# Altium PCB PIC18F_SUBSYSTEM_V1I1_PCB.PcbDoc (continued)
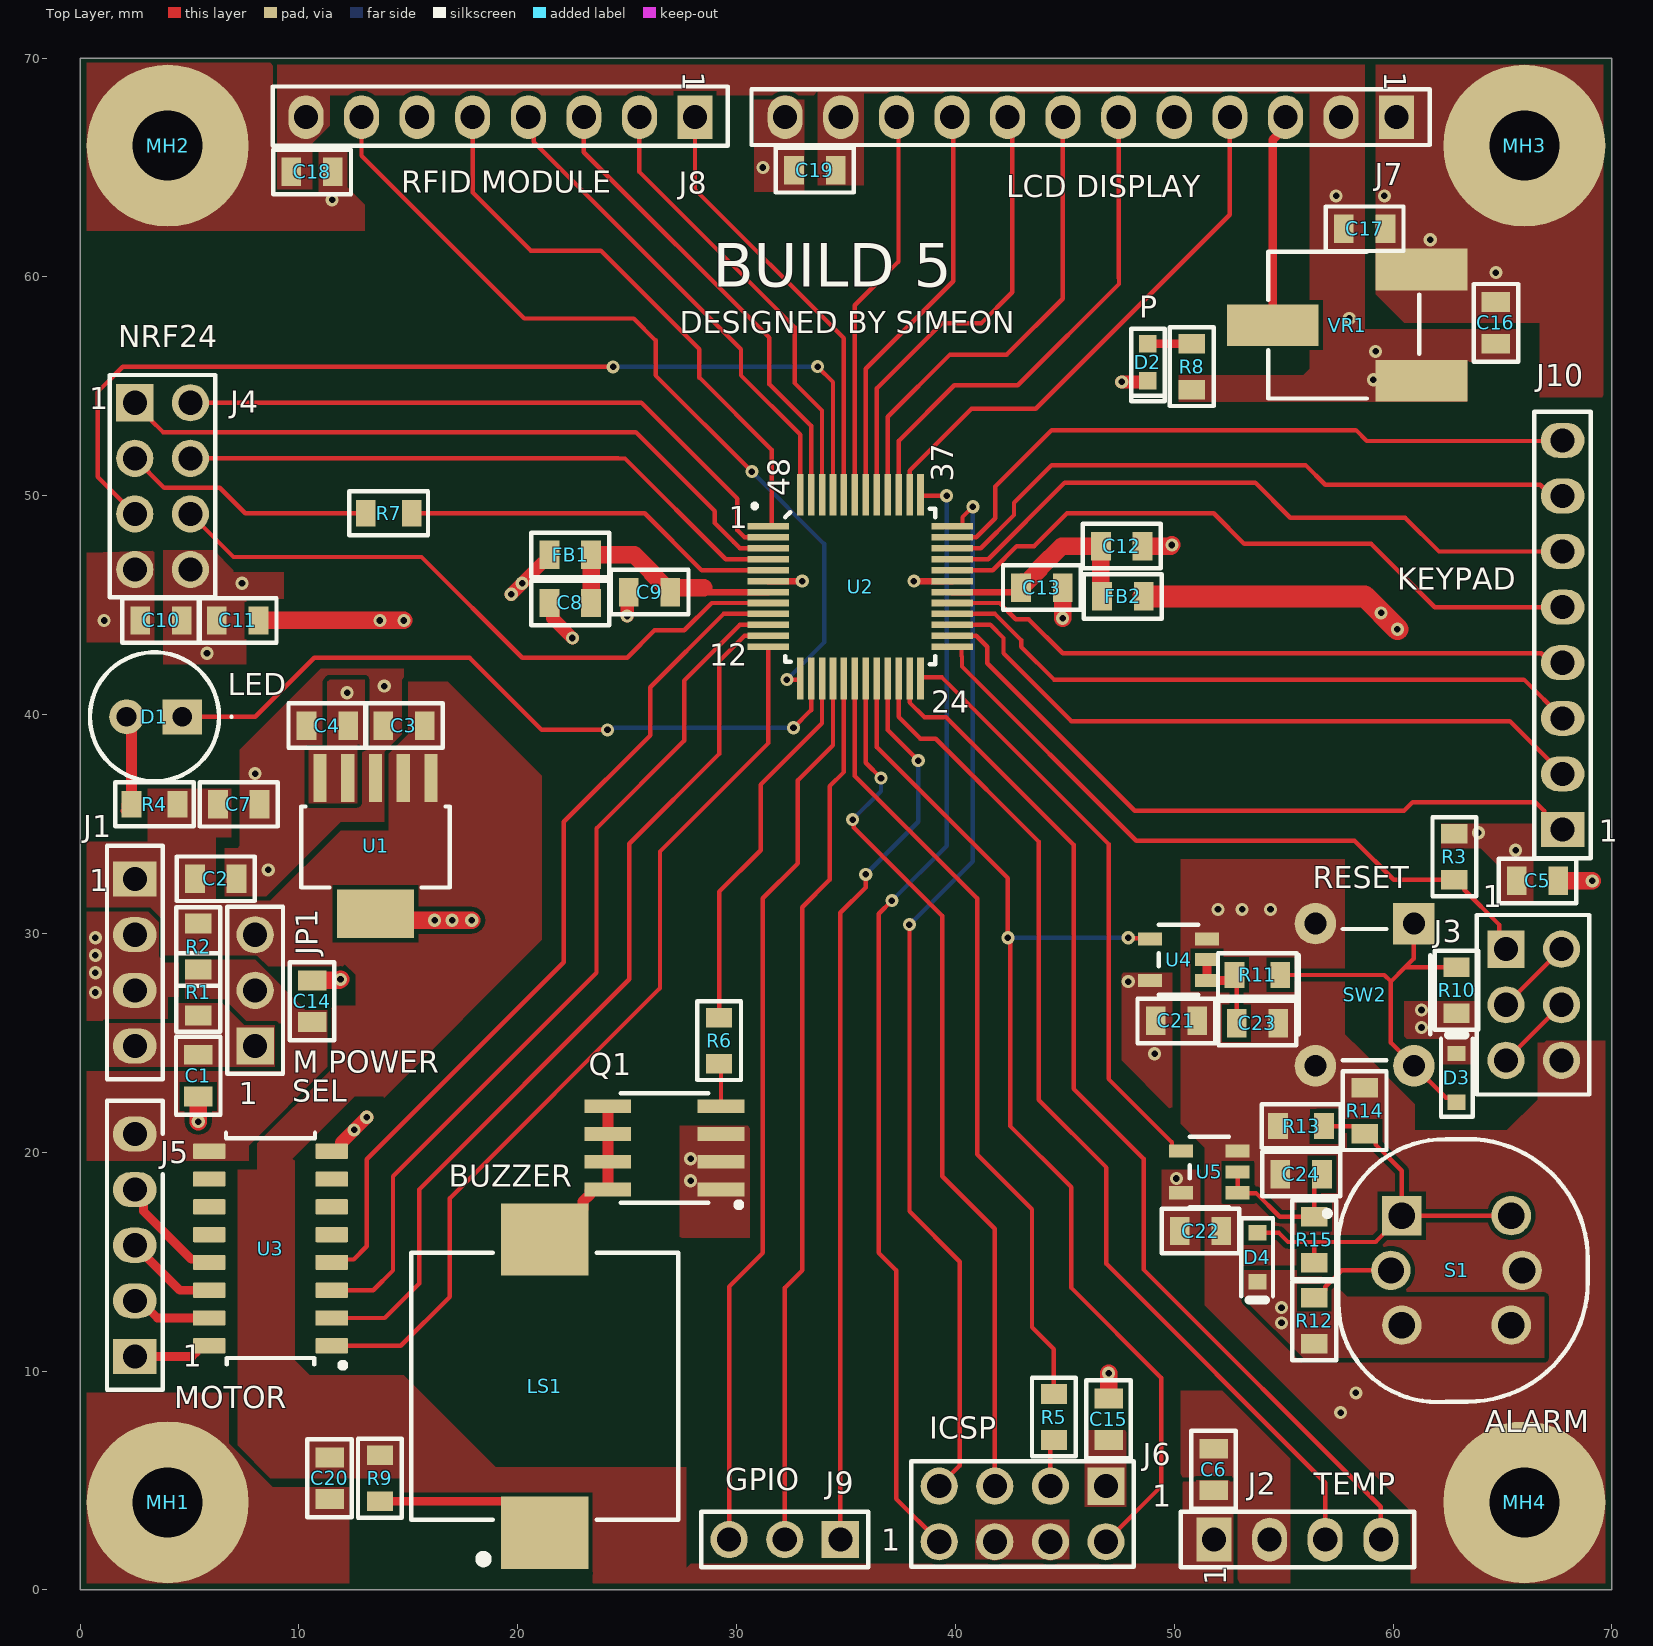
[diagram p0: Top Layer view]
## Part data (continued)
J9: library part 68705-103HLF, "Conn Unshrouded Header HDR 3 POS 2.54mm Solder ST Thru-Hole Bag", Flammability Rating="UL94 V-0", Manufacturer="Amphenol ICC / FCI", Manufacturer Series=68705, Supplier Part Number=649-68705-103HLF, Category=Connectors, ComponentLink1Description=https://datasheet.ciiva.com/10144/68000-10144809.pdf?src-supplier=Avnet, ComponentLink1URL=https://datasheet.ciiva.com/10144/68000-10144809.pdf?src-supplier=Avnet, ComponentLink2Description=https://datasheet.ciiva.com/721/68000-721945.pdf?src-supplier=Digikey, ComponentLink2URL=https://datasheet.ciiva.com/721/68000-721945.pdf?src-supplier=Digikey, Connector Type="BOARD CONNECTOR", Contact Finish - Mating="GOLD (30) OVER NICKEL (50)/GOLD FLASH OVER PALLADIUM NICKEL (30)", Contact Finish - Termination="GOLD (30) OVER NICKEL (50)/GOLD FLASH OVER PALLADIUM NICKEL (30)", Contact Gender=Male, Contact Material=Bronze, DIN Conformance=No, Filter Feature=No, IEC Conformance=No, JESD-609 Code=e4, Manufacturer Part Number=68705-103HLF, MIL Conformance=No, Mixed Contacts=No, Mounting Style=STRAIGHT, Mounting Technology=Board, Number of Contacts=3, Number of Rows Loaded=1, Option="General Purpose", Pricing="1=0.41, 10=0.311, 50=0.311, 100=0.247, 1000=0.193, 10000=0.158 (USD)", Reach SVHC Compliant=Yes, RoHS=Yes, RoHS Compliant=Yes, Stock=575, Supplier=Mouser, Supplier 1=Mouser, Supplier Part Number 1=649-68705-103HLF, Terminal Pitch=2.54mm, Termination=Solder
J10: library part 77311-101-08LF, "Conn Unshrouded Header HDR 8 POS 2.54mm Solder ST Top Entry Thru-Hole Bulk", Manufacturer="Amphenol ICC / FCI", Supplier Part Number=649-77311-101-08LF, Category=Connectors, ComponentLink1Description=https://datasheet.ciiva.com/11746/0900766b80d78e8c-11746965.pdf?src-supplier=Rs, ComponentLink1URL=https://datasheet.ciiva.com/11746/0900766b80d78e8c-11746965.pdf?src-supplier=Rs, ComponentLink2Description=https://datasheet.ciiva.com/5154/77311-5154589.pdf?src-supplier=Mouser, ComponentLink2URL=https://datasheet.ciiva.com/5154/77311-5154589.pdf?src-supplier=Mouser, ComponentLink3Description=https://datasheet.ciiva.com/722/77311-722434.pdf?src-supplier=Digikey, ComponentLink3URL=https://datasheet.ciiva.com/722/77311-722434.pdf?src-supplier=Digikey, Manufacturer Part Number=77311-101-08LF, Pricing="1=0.57, 10=0.438, 50=0.438, 100=0.348, 1000=0.317, 10000=0.245 (USD)", RoHS=Yes, Stock=1079, Supplier=Mouser, Supplier 1=Mouser, Supplier Part Number 1=649-77311-101-08LF
JP1: library part 68705-103HLF, "Conn Unshrouded Header HDR 3 POS 2.54mm Solder ST Thru-Hole Bag", Flammability Rating="UL94 V-0", Manufacturer="Amphenol ICC / FCI", Manufacturer Series=68705, Supplier Part Number=609-68705-103HLF-ND, Category=Connectors, ComponentLink1Description=https://datasheet.ciiva.com/10144/68000-10144809.pdf?src-supplier=Avnet, ComponentLink1URL=https://datasheet.ciiva.com/10144/68000-10144809.pdf?src-supplier=Avnet, ComponentLink2Description=https://datasheet.ciiva.com/721/68000-721945.pdf?src-supplier=Digikey, ComponentLink2URL=https://datasheet.ciiva.com/721/68000-721945.pdf?src-supplier=Digikey, Connector Type="BOARD CONNECTOR", Contact Finish - Mating="GOLD (30) OVER NICKEL (50)/GOLD FLASH OVER PALLADIUM NICKEL (30)", Contact Finish - Termination="GOLD (30) OVER NICKEL (50)/GOLD FLASH OVER PALLADIUM NICKEL (30)", Contact Gender=Male, Contact Material=Bronze, DIN Conformance=No, Filter Feature=No, IEC Conformance=No, JESD-609 Code=e4, Manufacturer Part Number=68705-103HLF, MIL Conformance=No, Mixed Contacts=No, Mounting Style=STRAIGHT, Mounting Technology=Board, Number of Contacts=3, Number of Rows Loaded=1, Option="General Purpose", Pricing="1=0.41, 10=0.311, 100=0.2462, 500=0.21082, 1000=0.19297, 5000=0.1619, 10000=0.15811 (USD)", Reach SVHC Compliant=Yes, RoHS=Yes, RoHS Compliant=Yes, Stock=5876, Supplier=Digikey, Supplier 1=Digikey, Supplier Part Number 1=609-68705-103HLF-ND, Terminal Pitch=2.54mm, Termination=Solder
LS1: "Piezo Electric devices", Manufacturer=Murata, Supplier Part Number=81-PKLCS1212E2400-R1, Category=Speakers, ComponentLink1Description=https://datasheet.ciiva.com:443/pdfs/VipMasterIC/IC/MURE/MURE-S-A0001469919/MURE-S-A0001469919-1.pdf?src-supplier=IHS+Markit, ComponentLink1URL=https://datasheet.ciiva.com:443/pdfs/VipMasterIC/IC/MURE/MURE-S-A0001469919/MURE-S-A0001469919-1.pdf?src-supplier=IHS+Markit, ComponentLink2Description=https://datasheet.ciiva.com/46412/1851881-46412335.pdf?src-supplier=Element14, ComponentLink2URL=https://datasheet.ciiva.com/46412/1851881-46412335.pdf?src-supplier=Element14, Manufacturer Part Number=PKLCS1212E2400-R1, Pricing="1=2.36, 10=1.62, 50=1.39, 100=1.13, 1000=0.76, 10000=0.738 (USD)", RoHS=Yes, Stock=10538, Supplier=Mouser, Supplier 1=Mouser, Supplier Part Number 1=81-PKLCS1212E2400-R1
MH1 MH2 MH3 MH4: library part MH_7.4MMC_3.2, "Mounting Hole 7.4mm Diameter, 3.2mm Drill"
Q1: "Small Signal Field-Effect Transistor", Manufacturer=Vishay, Supplier Part Number=78-SI4848ADY-T1-GE3, Category=MOSFETs, ComponentLink1Description=https://datasheet.ciiva.com:443/pdfs/VipMasterIC/IC/VISH/VISH-S-A0003079622/VISH-S-A0003079622-1.pdf?src-supplier=IHS+Markit, ComponentLink1URL=https://datasheet.ciiva.com:443/pdfs/VipMasterIC/IC/VISH/VISH-S-A0003079622/VISH-S-A0003079622-1.pdf?src-supplier=IHS+Markit, ComponentLink2Description=http://www.farnell.com/datasheets/2687467.pdf?src-supplier=Farnell, ComponentLink2URL=http://www.farnell.com/datasheets/2687467.pdf?src-supplier=Farnell, ComponentLink3Description=http://www.farnell.com/datasheets/2687467.pdf?src-supplier=Newark, ComponentLink3URL=http://www.farnell.com/datasheets/2687467.pdf?src-supplier=Newark, ComponentLink4Description=https://www.vishay.com/docs/77716/si4848ady.pdf?src-supplier=Digikey, ComponentLink4URL=https://www.vishay.com/docs/77716/si4848ady.pdf?src-supplier=Digikey, Manufacturer Part Number=SI4848ADY-T1-GE3, Pricing="1=0.68, 10=0.622, 50=0.622, 100=0.415, 1000=0.292, 10000=0.225 (USD)", RoHS=Yes, Stock=19572, Supplier=Mouser, Supplier 1=Mouser, Supplier Part Number 1=78-SI4848ADY-T1-GE3
R1 R2: library part RC0805JR-070RL, "GENERAL PURPOSE CHIP RESISTOR Metal Glaze/thick Film, 0.125W, 0ohm, Surface Mount, 0805", Case Code (Imperial)=0805, Case Code (Metric)=2012, Manufacturer=Yageo, Max Operating Temperature=155°C, Max Power Dissipation=125mW, Min Operating Temperature=-55°C, Resistance Tolerance=5%, Resistor Type="Thick Film", Supplier Part Number=311-0.0ARCT-ND, Supplier Part Number 1=603-RC0805JR-070RL, Temperature Coefficient=200ppm/°C, Voltage Rating=150V, Case/Package=0805, Category="Chip SMD Resistors", ComponentLink1Description=https://datasheet.ciiva.com/11819/0900766b8106beab-11819430.pdf?src-supplier=Rs, ComponentLink1URL=https://datasheet.ciiva.com/11819/0900766b8106beab-11819430.pdf?src-supplier=Rs, ComponentLink2Description=https://datasheet.ciiva.com/7941/1738694-7941861.pdf?src-supplier=Element14, ComponentLink2URL=https://datasheet.ciiva.com/7941/1738694-7941861.pdf?src-supplier=Element14, ComponentLink3Description=https://datasheet.ciiva.com/7941/1738694-7941862.pdf?src-supplier=Element14, ComponentLink3URL=https://datasheet.ciiva.com/7941/1738694-7941862.pdf?src-supplier=Element14, ComponentLink4Description=https://datasheet.ciiva.com/7941/1738694-7941863.pdf?src-supplier=Element14, ComponentLink4URL=https://datasheet.ciiva.com/7941/1738694-7941863.pdf?src-supplier=Element14, ComponentLink5Description=https://datasheet.ciiva.com/15190/getdatasheetpartid-330685-15190028.pdf?src-supplier=Verical, ComponentLink5URL=https://datasheet.ciiva.com/15190/getdatasheetpartid-330685-15190028.pdf?src-supplier=Verical, Construction=Rectangular, Contact Plating=Tin,Matte, Depth=1.25mm, Features="Moisture Resistant", Height=0.5mm, Lead Free=5697LeadFree, Length=2mm, Manufacturer Part Number=RC0805JR-070RL, Military Standard=Not, Number of Terminations=2, Packaging="Tape and Reel", Pins=2, Power Rating=125mW, Pricing="1=0.1, 10=0.016, 25=0.0116, 50=0.0072, 100=0.0066, 250=0.00612 (USD)", Reach SVHC Compliant=Unknown, RoHS=Yes, RoHS Compliant=Yes, Series=RC, Stock=1340416, Supplier=Digikey, Supplier 1=Mouser, Technology="THICK FILM", Termination=SMD/SMT, Tolerance=5%, Voltage Rating (DC)=150V, Width=1.25mm
R3 R9: library part RC0805FR-131KL, "Res Thick Film 0805 1K Ohm 1% 1/8W ±100ppm/°C Molded SMD SMD Paper T/R", Manufacturer=Yageo, Supplier Part Number=13-RC0805FR-131KLCT-ND, Supplier Part Number 1=603-RC0805FR-131KL, Category="Chip SMD Resistors", ComponentLink1Description=https://datasheet.ciiva.com/5558/rc0805-5558261.pdf?src-supplier=Mouser, ComponentLink1URL=https://datasheet.ciiva.com/5558/rc0805-5558261.pdf?src-supplier=Mouser, Manufacturer Part Number=RC0805FR-131KL, Pricing="1=0.1, 10=0.016, 50=0.0132, 100=0.0102, 500=0.00868, 1000=0.00714, 5000=0.0051 (USD)", RoHS=Yes, Stock=23036, Supplier=Digikey, Supplier 1=Mouser
R4 R8 R12: library part RC0805FR-07560RL, "Res General Purpose Thick Film 0805 560 Ohm 1% 1/8W ±100ppm/°C Molded Paper T/R", Manufacturer=Yageo, Supplier Part Number=311-560CRCT-ND, Category="Chip SMD Resistors", Manufacturer Part Number=RC0805FR-07560RL, Pricing="1=0.1, 10=0.016, 50=0.0132, 100=0.0102, 500=0.00868, 1000=0.00781 (USD)", RoHS=Yes, Stock=65174, Supplier=Digikey, Supplier 1=Digikey, Supplier Part Number 1=311-560CRCT-ND
R5 R7 R11 R15: library part RC0805FR-1322RL, "Fixed Resistor, Metal Glaze/thick Film, 0.125W, 22ohm, 150V, 1% +/-Tol, 100ppm/Cel, Surface Mount, 0805", Case/Package=0805, Manufacturer=Yageo, Max Operating Temperature=155°C, Min Operating Temperature=-55°C, Package Height=0.5mm, Package Length=2mm, Package Shape=Rectangular, Package Width=1.25mm, Power=125mW, Rated Temperature=70°C, Resistor Type="FIXED RESISTOR", Supplier Part Number=13-RC0805FR-1322RLCT-ND, Temperature Coefficient=100ppm/°C, Tolerance=1%, Working Voltage=150V, Additional Feature="LASER TRIMMABLE", Category="Chip SMD Resistors", ComponentLink1Description=https://datasheet.ciiva.com:443/pdfs/VipMasterIC/IC/YAGO/YAGO-S-A0008145938/YAGO-S-A0008145938-1.pdf?src-supplier=IHS+Markit, ComponentLink1URL=https://datasheet.ciiva.com:443/pdfs/VipMasterIC/IC/YAGO/YAGO-S-A0008145938/YAGO-S-A0008145938-1.pdf?src-supplier=IHS+Markit, ComponentLink2Description=https://datasheet.ciiva.com/12560/rc0805-257173-12560809.pdf?src-supplier=Mouser, ComponentLink2URL=https://datasheet.ciiva.com/12560/rc0805-257173-12560809.pdf?src-supplier=Mouser, Construction=Chip, JESD-609 Code=e3, Manufacturer Part Number=RC0805FR-1322RL, Mounting Technology="Surface Mount", Packaging="Tape and Reel", Pins=2, Pricing="1=0.1, 10=0.016, 50=0.0132, 100=0.0102, 500=0.00868, 1000=0.00714, 5000=0.00459, 10000=0.00408 (USD)", Reach SVHC Compliant=Yes, RoHS=Yes, RoHS Compliant=Yes, Stock=41437, Supplier=Digikey, Supplier 1=Digikey, Supplier Part Number 1=13-RC0805FR-1322RLCT-ND, Technology="METAL GLAZE/THICK FILM", Terminal Finish=Nickel, Termination=Wraparound
R6: library part RC0805FR-07100RL, "Fixed Resistor, Metal Glaze/thick Film, 0.125W, 100ohm, 150V, 1% +/-Tol, 100ppm/Cel, Surface Mount, 0805", Case/Package=0805, Manufacturer=Yageo, Max Operating Temperature=155°C, Min Operating Temperature=-55°C, Package Height=0.5mm, Package Length=2mm, Package Shape=Rectangular, Package Width=1.25mm, Power=125mW, Rated Temperature=70°C, Resistor Type="FIXED RESISTOR", Supplier Part Number=603-RC0805FR-07100RL, Temperature Coefficient=100ppm/°C, Tolerance=1%, Working Voltage=150V, Additional Feature="LASER TRIMMABLE", Category="Chip SMD Resistors", ComponentLink1Description=https://datasheet.ciiva.com:443/pdfs/VipMasterIC/IC/YAGO/YAGO-S-A0008145938/YAGO-S-A0008145938-1.pdf?src-supplier=IHS+Markit, ComponentLink1URL=https://datasheet.ciiva.com:443/pdfs/VipMasterIC/IC/YAGO/YAGO-S-A0008145938/YAGO-S-A0008145938-1.pdf?src-supplier=IHS+Markit, ComponentLink2Description=https://datasheet.ciiva.com/11808/0900766b8106beab-11808877.pdf?src-supplier=Rs, ComponentLink2URL=https://datasheet.ciiva.com/11808/0900766b8106beab-11808877.pdf?src-supplier=Rs, ComponentLink3Description=https://datasheet.ciiva.com/7941/1697719-7941680.pdf?src-supplier=Element14, ComponentLink3URL=https://datasheet.ciiva.com/7941/1697719-7941680.pdf?src-supplier=Element14, ComponentLink4Description=https://datasheet.ciiva.com/7941/1686128-7941679.pdf?src-supplier=Element14, ComponentLink4URL=https://datasheet.ciiva.com/7941/1686128-7941679.pdf?src-supplier=Element14, ComponentLink5Description=https://datasheet.ciiva.com/46447/444164-46447562.pdf?src-supplier=Element14, ComponentLink5URL=https://datasheet.ciiva.com/46447/444164-46447562.pdf?src-supplier=Element14, ComponentLink6Description=https://datasheet.ciiva.com/2456/pyu-r-int-thick-7-2456989.pdf?src-supplier=Digikey, ComponentLink6URL=https://datasheet.ciiva.com/2456/pyu-r-int-thick-7-2456989.pdf?src-supplier=Digikey, ComponentLink7Description=https://datasheet.ciiva.com/2456/pyu-r-int-thick-7-2456987.pdf?src-supplier=Digikey, ComponentLink7URL=https://datasheet.ciiva.com/2456/pyu-r-int-thick-7-2456987.pdf?src-supplier=Digikey, ComponentLink8Description=https://datasheet.ciiva.com/17082/rc0805-17082697.pdf?src-supplier=Future+Electronics, ComponentLink8URL=https://datasheet.ciiva.com/17082/rc0805-17082697.pdf?src-supplier=Future+Electronics, ComponentLink9Description=https://datasheet.ciiva.com/7660/38627-7660797.pdf?src-supplier=Element14, ComponentLink9URL=https://datasheet.ciiva.com/7660/38627-7660797.pdf?src-supplier=Element14, ComponentLink10Description=https://datasheet.ciiva.com/22747/444164-22747535.pdf?src-supplier=Element14, ComponentLink10URL=https://datasheet.ciiva.com/22747/444164-22747535.pdf?src-supplier=Element14, ComponentLink11Description=https://datasheet.ciiva.com/2456/pyu-r-int-thick-7-2456988.pdf?src-supplier=Digikey, ComponentLink11URL=https://datasheet.ciiva.com/2456/pyu-r-int-thick-7-2456988.pdf?src-supplier=Digikey, Construction=Chip, JESD-609 Code=e3, Manufacturer Part Number=RC0805FR-07100RL, Mounting Technology="Surface Mount", Packaging="Tape and Reel", Pins=2, Pricing="1=0.1, 10=0.016, 50=0.016, 100=0.014, 1000=0.009, 10000=0.004 (USD)", Reach SVHC Compliant=Yes, RoHS=Yes, RoHS Compliant=Yes, Stock=898964, Supplier=Mouser, Supplier 1=Mouser, Supplier Part Number 1=603-RC0805FR-07100RL, Technology="METAL GLAZE/THICK FILM", Terminal Finish=Nickel, Termination=Wraparound
R10 R13: library part RC0805FR-1010KL, "Fixed Resistor, Metal Glaze/thick Film, 0.125W, 10000ohm, 150V, 1% +/-Tol, 100ppm/Cel, Surface Mount, 0805", Case/Package=0805, Manufacturer=Yageo, Max Operating Temperature=155°C, Min Operating Temperature=-55°C, Package Height=0.5mm, Package Length=2mm, Package Shape=Rectangular, Package Width=1.25mm, Power=125mW, Rated Temperature=70°C, Resistor Type="FIXED RESISTOR", Supplier Part Number=13-RC0805FR-1010KLCT-ND, Temperature Coefficient=100ppm/°C, Tolerance=1%, Working Voltage=150V, Additional Feature="LASER TRIMMABLE", Category="Chip SMD Resistors", ComponentLink1Description=https://datasheet.ciiva.com:443/pdfs/VipMasterIC/IC/YAGO/YAGO-S-A0008145938/YAGO-S-A0008145938-1.pdf?src-supplier=IHS+Markit, ComponentLink1URL=https://datasheet.ciiva.com:443/pdfs/VipMasterIC/IC/YAGO/YAGO-S-A0008145938/YAGO-S-A0008145938-1.pdf?src-supplier=IHS+Markit, ComponentLink2Description=https://datasheet.ciiva.com/7983/444164-7983754.pdf?src-supplier=Element14, ComponentLink2URL=https://datasheet.ciiva.com/7983/444164-7983754.pdf?src-supplier=Element14, ComponentLink3Description=https://datasheet.ciiva.com/15190/getdatasheetpartid-496654-15190027.pdf?src-supplier=Verical, ComponentLink3URL=https://datasheet.ciiva.com/15190/getdatasheetpartid-496654-15190027.pdf?src-supplier=Verical, Construction=Chip, JESD-609 Code=e3, Manufacturer Part Number=RC0805FR-1010KL, Mounting Technology="Surface Mount", Packaging="Tape and Reel", Pins=2, Pricing="1=0.1, 10=0.016, 50=0.0132, 100=0.0087, 500=0.00714, 1000=0.00612 (USD)", Reach SVHC Compliant=Yes, RoHS=Yes, RoHS Compliant=Yes, Stock=38925, Supplier=Digikey, Supplier 1=Digikey, Supplier Part Number 1=13-RC0805FR-1010KLCT-ND, Technology="METAL GLAZE/THICK FILM", Terminal Finish=Nickel, Termination=Wraparound
R14: library part RC0805JR-13100ML, "Fixed Resistor, Metal Glaze/thick Film, 0.125W, 100000000ohm, 150V, 5% +/-Tol, 300ppm/Cel, Surface Mount, 0805", Case/Package=0805, Manufacturer=Yageo, Max Operating Temperature=155°C, Min Operating Temperature=-55°C, Package Height=0.5mm, Package Length=2mm, Package Shape=Rectangular, Package Width=1.25mm, Power=125mW, Rated Temperature=70°C, Resistor Type="FIXED RESISTOR", Supplier Part Number=603-RC0805JR-13100ML, Temperature Coefficient=300ppm/°C, Tolerance=5%, Working Voltage=150V, Additional Feature="LASER TRIMMABLE", Category="Chip SMD Resistors", ComponentLink1Description=https://datasheet.ciiva.com:443/pdfs/VipMasterIC/IC/YAGO/YAGO-S-A0008145938/YAGO-S-A0008145938-1.pdf?src-supplier=IHS+Markit, ComponentLink1URL=https://datasheet.ciiva.com:443/pdfs/VipMasterIC/IC/YAGO/YAGO-S-A0008145938/YAGO-S-A0008145938-1.pdf?src-supplier=IHS+Markit, ComponentLink2Description=https://datasheet.octopart.com/RC0805JR-13100ML-Yageo-datasheet-8324252.pdf?src-supplier=Future+Electronics, ComponentLink2URL=https://datasheet.octopart.com/RC0805JR-13100ML-Yageo-datasheet-8324252.pdf?src-supplier=Future+Electronics, Construction=Chip, JESD-609 Code=e3, Manufacturer Part Number=RC0805JR-13100ML, Mounting Technology="Surface Mount", Packaging="Tape and Reel", Pins=2, Pricing="1=0.13, 10=0.047, 50=0.047, 100=0.04, 1000=0.025, 10000=0.013 (USD)", Reach SVHC Compliant=Yes, RoHS=Yes, RoHS Compliant=Yes, Stock=37378, Supplier=Mouser, Supplier 1=Mouser, Supplier Part Number 1=603-RC0805JR-13100ML, Technology="METAL GLAZE/THICK FILM", Terminal Finish=Nickel, Termination=Wraparound
S1: "SPST, THT, 1.30N", Manufacturer="ITT C&K", Supplier Part Number=611-D6RLRDF1LFS, Category="Pushbutton Switches", ComponentLink1Description=http://datasheet.octopart.com/D6RLRDF1LFS-C%26K-Components-datasheet-156156663.pdf?src-supplier=Digikey, ComponentLink1URL=http://datasheet.octopart.com/D6RLRDF1LFS-C%26K-Components-datasheet-156156663.pdf?src-supplier=Digikey, ComponentLink2Description=http://datasheet.octopart.com/D6RLRDF1LFS-C%26K-Components-datasheet-156156663.pdf?src-supplier=Mouser, ComponentLink2URL=http://datasheet.octopart.com/D6RLRDF1LFS-C%26K-Components-datasheet-156156663.pdf?src-supplier=Mouser, ComponentLink3Description=http://datasheet.octopart.com/D6RLRDF1LFS-C%26K-Components-datasheet-156156663.pdf?src-supplier=Newark, ComponentLink3URL=http://datasheet.octopart.com/D6RLRDF1LFS-C%26K-Components-datasheet-156156663.pdf?src-supplier=Newark, ComponentLink4Description=http://datasheet.octopart.com/D6RLRDF1LFS-C%26K-Components-datasheet-156156663.pdf?src-supplier=Avnet, ComponentLink4URL=http://datasheet.octopart.com/D6RLRDF1LFS-C%26K-Components-datasheet-156156663.pdf?src-supplier=Avnet, ComponentLink5Description=http://datasheet.octopart.com/D6RLRDF1LFS-C%26K-Components-datasheet-156156663.pdf?src-supplier=Rs, ComponentLink5URL=http://datasheet.octopart.com/D6RLRDF1LFS-C%26K-Components-datasheet-156156663.pdf?src-supplier=Rs, ComponentLink6Description=http://datasheet.octopart.com/D6RLRDF1LFS-C%26K-Components-datasheet-156156663.pdf?src-supplier=Allied+Electronics, ComponentLink6URL=http://datasheet.octopart.com/D6RLRDF1LFS-C%26K-Components-datasheet-156156663.pdf?src-supplier=Allied+Electronics, ComponentLink7Description=http://datasheet.octopart.com/D6RLRDF1LFS-C%26K-Components-datasheet-156156663.pdf?src-supplier=Onlinecomponents.com, ComponentLink7URL=http://datasheet.octopart.com/D6RLRDF1LFS-C%26K-Components-datasheet-156156663.pdf?src-supplier=Onlinecomponents.com, ComponentLink8Description=http://datasheet.octopart.com/D6RLRDF1LFS-C%26K-Components-datasheet-156156663.pdf?src-supplier=TME, ComponentLink8URL=http://datasheet.octopart.com/D6RLRDF1LFS-C%26K-Components-datasheet-156156663.pdf?src-supplier=TME, ComponentLink9Description=http://datasheet.octopart.com/D6RLRDF1LFS-C%26K-Components-datasheet-156156663.pdf?src-supplier=Electro+Sonic, ComponentLink9URL=http://datasheet.octopart.com/D6RLRDF1LFS-C%26K-Components-datasheet-156156663.pdf?src-supplier=Electro+Sonic, ComponentLink10Description=http://datasheet.octopart.com/D6RLRDF1LFS-C%26K-Components-datasheet-156156663.pdf?src-supplier=LCSC, ComponentLink10URL=http://datasheet.octopart.com/D6RLRDF1LFS-C%26K-Components-datasheet-156156663.pdf?src-supplier=LCSC, ComponentLink11Description=http://datasheet.octopart.com/D6RLRDF1LFS-C%26K-Components-datasheet-156156663.pdf?src-supplier=Sager+Electronics, ComponentLink11URL=http://datasheet.octopart.com/D6RLRDF1LFS-C%26K-Components-datasheet-156156663.pdf?src-supplier=Sager+Electronics, Manufacturer Part Number=D6RLRDF1LFS, Pricing="1=1.69, 10=1.28, 50=1.28, 100=1.19, 1000=1.08, 10000=1.08 (USD)", RoHS=No, Stock=1608, Supplier=Mouser, Supplier 1=Mouser, Supplier Part Number 1=611-D6RLRDF1LFS
SW2: "Keypad Switch, 1 Switches, SPST, Momentary-tactile, 0.05A, 24VDC, 2.06N, 4 PCB Hole Cnt, Solder Terminal, Through Hole-straight", Contact Current(DC)-Max=50mA, Contact DC Max Rating R Load=.05A@24VDC, Contact Voltage(DC)-Max=24V, Manufacturer="TE Connectivity Alcoswitch", Max Operating Temperature=85°C, Min Operating Temperature=-35°C, Operating Force-Max=2.06N, Supplier Part Number=450-1650-ND, Body Breadth=5.99mm, Body Height=3.61mm, Body Length or Diameter=5.99mm, Category="Pushbutton Switches", Circuit Configuration=1X1, ComponentLink1Description=https://datasheet.ciiva.com:443/pdfs/VipMasterIC/IC/TYEL/TYEL-S-A0008869674/TYEL-S-A0008850909-1.pdf?src-supplier=IHS+Markit, ComponentLink1URL=https://datasheet.ciiva.com:443/pdfs/VipMasterIC/IC/TYEL/TYEL-S-A0008869674/TYEL-S-A0008850909-1.pdf?src-supplier=IHS+Markit, ComponentLink2Description=https://datasheet.ciiva.com/15184/getdatasheetpartid-395915-15184509.pdf?src-supplier=Verical, ComponentLink2URL=https://datasheet.ciiva.com/15184/getdatasheetpartid-395915-15184509.pdf?src-supplier=Verical, Manufacturer Part Number=1825910-6, Mounting Technology="Through Hole", Number of Switches=1, Pricing="1=0.16, 10=0.132, 25=0.1216, 100=0.1072, 250=0.09864, 750=0.08917, 1500=0.08362, 3000=0.07836, 5250=0.07432 (USD)", Reach SVHC Compliant=Yes, RoHS=Yes, RoHS Compliant=Yes, Stock=75583, Supplier=Digikey, Supplier 1=Digikey, Supplier Part Number 1=450-1650-ND, Switch Action=MOMENTARY, Switch Function=SPST, Switch Type=Keypad, Termination=Solder
U1: "LDO Regulator Pos 3.3V 1.5A 6-Pin(5+Tab) SOT-223 T/R", Case/Package=SOT-223-6, Dropout Voltage=340mV, Input Bias Current=1mA, Manufacturer="Texas Instruments", Max Operating Temperature=125°C, Max Output current=1.5A, Max Output Voltage=3.3V, Max Supply Voltage=20V, Min Current Limit=1.6A, Min Input Voltage=2.1V, Min Operating Temperature=-40°C, Package Quantity=1, Supplier Part Number=296-24534-1-ND, Accuracy=3%, Category="Voltage Regulators - Linear", ComponentLink1Description=https://datasheet.ciiva.com/2046/tl1963a-2046162.pdf?src-supplier=Digikey, ComponentLink1URL=https://datasheet.ciiva.com/2046/tl1963a-2046162.pdf?src-supplier=Digikey, ComponentLink2Description=https://datasheet.ciiva.com/2046/tl1963a-2046161.pdf?src-supplier=Digikey, ComponentLink2URL=https://datasheet.ciiva.com/2046/tl1963a-2046161.pdf?src-supplier=Digikey, ComponentLink3Description=https://datasheet.ciiva.com/2046/tl1963a-2046163.pdf?src-supplier=Digikey, ComponentLink3URL=https://datasheet.ciiva.com/2046/tl1963a-2046163.pdf?src-supplier=Digikey, Lead Free="Lead Free", Manufacturer Part Number=TL1963A-33DCQR, Min Output Voltage=3.3V, Number of Outputs=1, Number of Regulators=1, Output Current=1.5A, Output Type=Fixed, Output Voltage=3.3V, Packaging="Tape and Reel", Pins=6, Polarity=Positive, Pricing="1=3.3, 10=2.479, 25=2.2736, 100=2.0475, 250=1.93968, 500=1.87468, 1000=1.82118 (USD)", Quiescent Current=1mA, Radiation Hardening=No, RoHS=Yes, RoHS Compliant=Yes, Series=-, Stock=8694, Supplier=Digikey, Supplier 1=Digikey, Supplier Part Number 1=296-24534-1-ND
U2: library part PIC18F57Q43-I/PT, "RISC Microcontroller, 8-Bit, FLASH, PIC18 CPU, 64MHz, CMOS, PQFP48", Manufacturer=Microchip, Supplier Part Number=3052757, Category=Microcontrollers, ComponentLink1Description=https://datasheet.ciiva.com:443/pdfs/VipMasterIC/IC/MCHP/MCHP-S-A0009762681/MCHP-S-A0009762681-1.pdf?src-supplier=IHS+Markit, ComponentLink1URL=https://datasheet.ciiva.com:443/pdfs/VipMasterIC/IC/MCHP/MCHP-S-A0009762681/MCHP-S-A0009762681-1.pdf?src-supplier=IHS+Markit, Manufacturer Part Number=PIC18F57Q43-I/PT, Pricing="1=2.12, 25=1.94, 100=1.86, 250=1.78 (EUR)", RoHS=No, RoHS Compliant=Yes, Stock=226, Supplier=Farnell, Supplier 1=Farnell, Supplier Part Number 1=3052757